# KiCad board V1.1_version_control_final.kicad_pcb (continued)
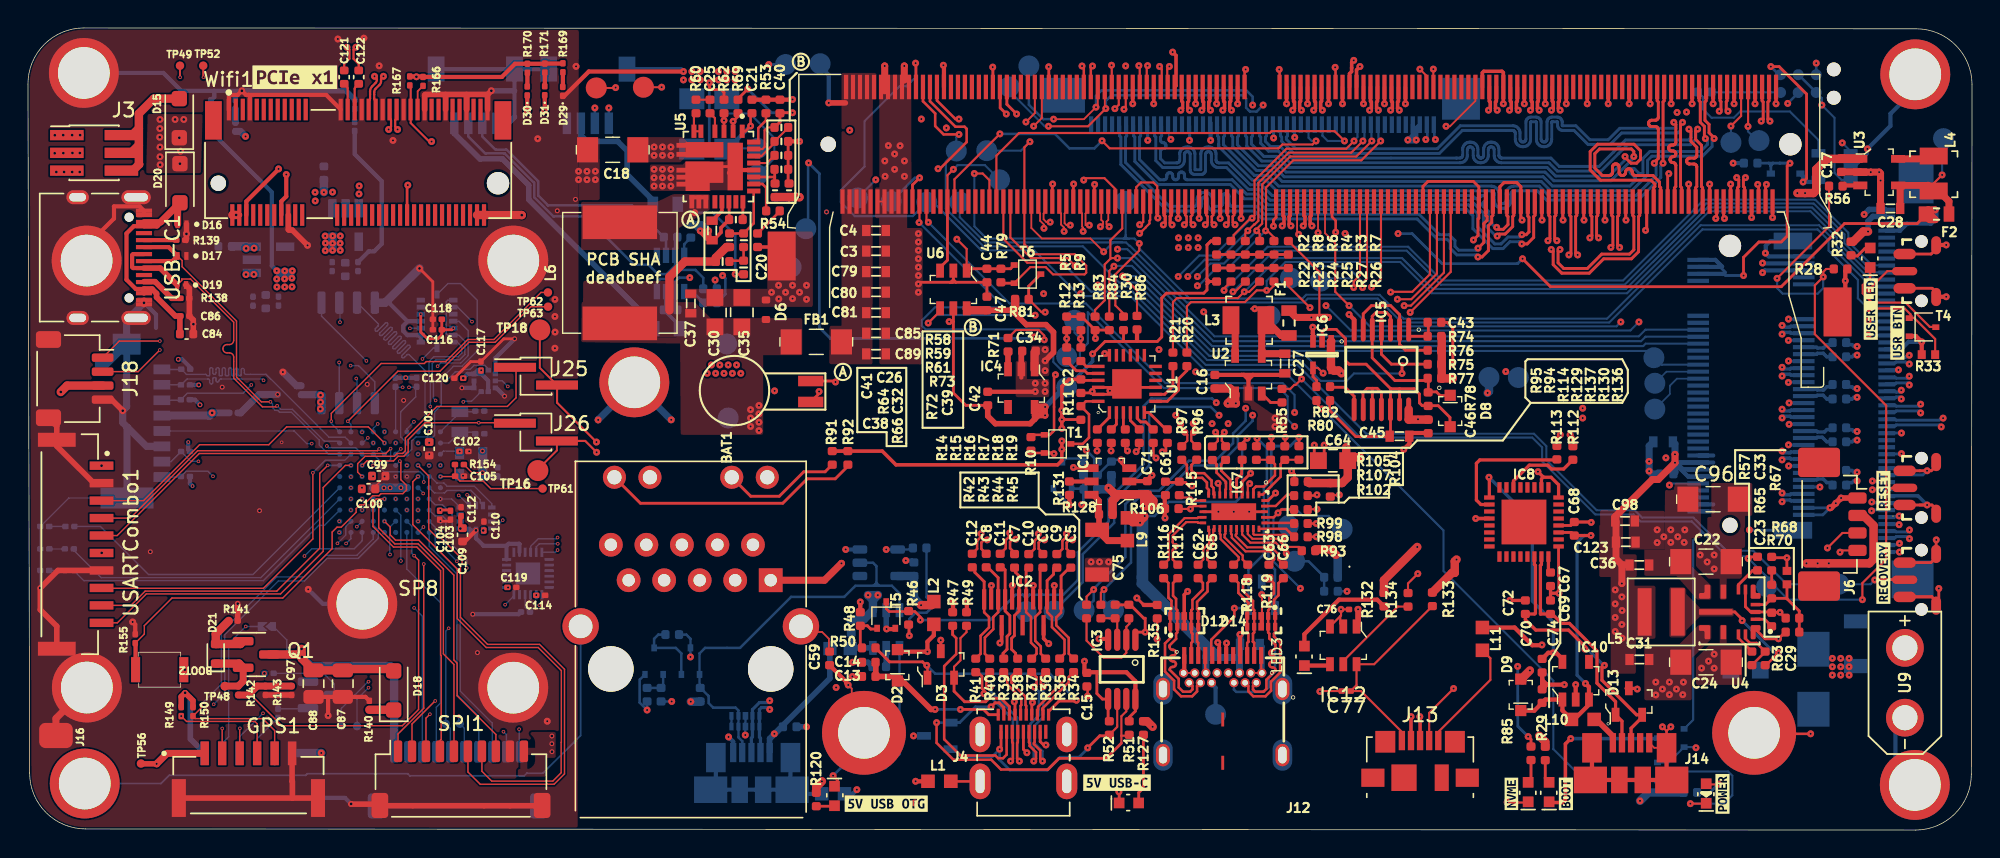
[diagram p0: board, top side]
## Routing (per net, layer and track width the routed paths; a pad name or vN(x,y) marks a point on that pad's centre or on a via; arc(x,y) is an arc through that point) (continued)
  Bottom w0.25: v1(130.79,31.6) 130.55,31.6 130.43,31.72 130.01,31.72
PCIE0_TX2_N: length 65.5
  Top w0.18: M1.148 86.25,44.02 86.15,43.92 86.15,43.49 v1(86.31,43.33)
  In3_SIGNAL.Cu w0.185: v1(130.79,27.91) 130.95,28.07 131.33,28.07 131.67,28.41 131.67,29.01 131.1,29.59 127.53,29.59 126.42,28.47 122.56,28.47 121.25,29.79 121.25,31.65 119.26,33.63 118.93,33.63 118.89,33.63 118.85,33.65 118.81,33.67 118.78,33.7 118.76,33.73 118.75,33.77 118.74,33.81 118.74,34.08 118.73,34.19 118.7,34.28 118.64,34.37 118.57,34.45 118.48,34.5 118.38,34.54 118.28,34.55 118.22,34.55 118.12,34.54 118.02,34.5 117.93,34.45 117.86,34.37 117.8,34.28 117.77,34.19 117.75,34.08 117.75,32.94 117.75,32.9 117.74,32.86 117.71,32.83 117.68,32.8 117.65,32.78 117.61,32.76 117.57,32.76 117.53,32.76 117.49,32.78 117.45,32.8 117.42,32.83 117.4,32.86 117.39,32.9 117.38,32.94 117.38,33.16 117.37,33.27 117.34,33.36 117.28,33.45 117.21,33.53 117.12,33.58 117.02,33.62 116.92,33.63 116.86,33.63 116.76,33.62 116.66,33.58 116.57,33.53 116.5,33.45 116.44,33.36 116.41,33.27 116.39,33.16 116.39,32.94 116.39,32.9 116.38,32.86 116.35,32.83 116.32,32.8 116.29,32.78 116.25,32.76 116.21,32.76 116.17,32.76 116.13,32.78 116.09,32.8 116.06,32.83 116.04,32.86 116.03,32.9 116.02,32.94 116.02,33.16 116.01,33.27 115.98,33.36 115.92,33.45 115.85,33.53 115.76,33.58 115.66,33.62 115.56,33.63 115.56,33.63 115.46,33.62 115.36,33.58 115.27,33.53 115.2,33.45 115.14,33.36 115.11,33.27 115.09,33.16 115.09,32.94 115.09,32.9 115.08,32.86 115.05,32.83 115.02,32.8 114.99,32.78 114.95,32.76 114.91,32.76 114.87,32.76 114.83,32.78 114.79,32.8 114.76,32.83 114.74,32.86 114.73,32.9 114.72,32.94 114.72,33.16 114.71,33.27 114.68,33.36 114.62,33.45 114.55,33.53 114.46,33.58 114.36,33.62 114.26,33.63 114.26,33.63 114.16,33.62 114.06,33.58 113.97,33.53 113.9,33.45 113.84,33.36 113.81,33.27 113.79,33.16 113.79,32.94 113.79,32.9 113.78,32.86 113.75,32.83 113.72,32.8 113.69,32.78 113.65,32.76 113.61,32.76 113.57,32.76 113.53,32.78 113.49,32.8 113.46,32.83 113.44,32.86 113.43,32.9 113.42,32.94 113.42,33.16 113.41,33.27 113.38,33.36 113.32,33.45 113.25,33.53 113.16,33.58 113.06,33.62 112.96,33.63 112.96,33.63 112.86,33.62 112.76,33.58 112.67,33.53 112.6,33.45 112.54,33.36 112.51,33.27 112.49,33.16 112.49,32.94 112.49,32.9 112.48,32.86 112.45,32.83 112.42,32.8 112.39,32.78 112.35,32.76 112.31,32.76 112.27,32.76 112.23,32.78 112.19,32.8 112.16,32.83 112.14,32.86 112.13,32.9 112.12,32.94 112.12,33.16 112.11,33.27 112.08,33.36 112.02,33.45 111.95,33.53 111.86,33.58 111.76,33.62 111.66,33.63 104.88,33.63 97.99,40.52 97.93,40.52 97.9,40.55 88.48,40.55 86.15,42.88 86.15,43.17 v1(86.31,43.33)
  Bottom w0.25: 130.01,27.79 130.43,27.79 130.55,27.91 v1(130.79,27.91)
PCIE0_TX2_P: length 65.2
  Top w0.18: v1(85.68,43.33) 85.84,43.49 85.84,43.92 85.75,44.02 85.75,44.98
  In3_SIGNAL.Cu w0.185: 115.57,33.31 115.61,33.3 115.64,33.28 115.67,33.25 115.7,33.21 115.71,33.17 115.71,33.13 115.71,32.91 115.73,32.81 115.76,32.71 115.82,32.62 115.89,32.55 115.98,32.49 116.08,32.46 116.18,32.45 116.24,32.45 116.34,32.46 116.44,32.49 116.53,32.55 116.6,32.62 116.66,32.71 116.69,32.81 116.7,32.91 116.7,33.13 116.71,33.17 116.72,33.21 116.74,33.25 116.77,33.28 116.81,33.3 116.85,33.31 116.89,33.32 116.93,33.31 116.97,33.3 117,33.28 117.03,33.25 117.06,33.21 117.07,33.17 117.07,33.13 117.07,32.91 117.09,32.81 117.12,32.71 117.18,32.62 117.25,32.55 117.34,32.49 117.44,32.46 117.54,32.45 117.6,32.45 117.7,32.46 117.8,32.49 117.89,32.55 117.96,32.62 118.02,32.71 118.05,32.81 118.06,32.91 118.06,34.05 118.07,34.09 118.08,34.13 118.1,34.17 118.13,34.2 118.17,34.22 118.21,34.23 118.25,34.24 118.29,34.23 118.33,34.22 118.36,34.2 118.39,34.17 118.42,34.13 118.43,34.09 118.43,34.05 118.43,33.78 118.45,33.68 118.48,33.58 118.54,33.49 118.61,33.42 118.7,33.36 118.8,33.33 118.9,33.32 119.14,33.32 120.94,31.52 120.94,29.66 122.43,28.16 126.61,28.16 127.72,29.28 128.79,29.28 128.82,29.27 128.85,29.26 128.87,29.25 128.89,29.23 128.91,29.21 128.91,29.18 128.92,29.13 128.93,29.1 128.94,29.08 128.96,29.06 128.99,29.04 129.01,29.03 129.04,29.03 129.16,29.03 129.19,29.03 129.22,29.04 129.24,29.06 129.26,29.08 129.28,29.1 129.28,29.13 129.29,29.18 129.3,29.21 129.31,29.23 129.33,29.25 129.36,29.26 129.38,29.27 129.41,29.28 130.97,29.28 131.36,28.88 131.36,28.54 131.2,28.38 130.95,28.38 v1(130.79,28.53) ; v1(85.68,43.33) 85.84,43.17 85.84,42.75 88.38,40.21 97.87,40.21 104.76,33.32 111.63,33.32 111.67,33.31 111.71,33.3 111.74,33.28 111.77,33.25 111.8,33.21 111.81,33.17 111.81,33.13 111.81,32.91 111.83,32.81 111.86,32.71 111.92,32.62 111.99,32.55 112.08,32.49 112.18,32.46 112.28,32.45 112.34,32.45 112.44,32.46 112.54,32.49 112.63,32.55 112.7,32.62 112.76,32.71 112.79,32.81 112.8,32.91 112.8,33.13 112.81,33.17 112.82,33.21 112.84,33.25 112.87,33.28 112.91,33.3 112.95,33.31 ; 115.55,33.31 115.51,33.3 115.47,33.28 115.44,33.25 115.42,33.21 115.41,33.17 115.4,33.13 115.4,32.91 115.39,32.81 115.36,32.71 115.3,32.62 115.23,32.55 115.14,32.49 115.04,32.46 114.94,32.45 114.88,32.45 114.78,32.46 114.68,32.49 114.59,32.55 114.52,32.62 114.46,32.71 114.43,32.81 114.41,32.91 114.41,33.13 114.41,33.17 114.4,33.21 114.37,33.25 114.34,33.28 114.31,33.3 114.27,33.31 ; 112.97,33.31 113.01,33.3 113.04,33.28 113.07,33.25 113.1,33.21 113.11,33.17 113.11,33.13 113.11,32.91 113.13,32.81 113.16,32.71 113.22,32.62 113.29,32.55 113.38,32.49 113.48,32.46 113.58,32.45 113.64,32.45 113.74,32.46 113.84,32.49 113.93,32.55 114,32.62 114.06,32.71 114.09,32.81 114.1,32.91 114.1,33.13 114.11,33.17 114.12,33.21 114.14,33.25 114.17,33.28 114.21,33.3 114.25,33.31
  Bottom w0.25: v1(130.79,28.53) 130.55,28.53 130.43,28.65 130.01,28.65
PCIE0_TX3_N: length 66
  Top w0.18: 84.75,44.98 84.75,44.02 84.65,43.92 84.65,43.49 v1(84.81,43.33)
  In3_SIGNAL.Cu w0.18: 107.96,32.42 107.96,31.47 107.96,31.46 107.96,31.45
  In3_SIGNAL.Cu w0.185: 107.96,31.45 107.95,31.42 107.93,31.4 107.91,31.37 107.88,31.36 107.85,31.35 107.82,31.34 107.73,31.34 107.7,31.35 107.67,31.36 107.64,31.37 107.62,31.4 107.61,31.42 107.59,31.45 107.59,31.49 107.59,32.42 107.58,32.51 107.55,32.6 107.5,32.69 107.43,32.75 107.35,32.8 107.26,32.84 107.16,32.85 107.03,32.85 106.93,32.84 106.84,32.8 106.76,32.75 106.69,32.69 106.64,32.6 106.61,32.51 106.6,32.42 106.6,31.49 106.6,31.45 106.59,31.42 106.57,31.4 106.55,31.37 106.52,31.36 106.49,31.35 106.46,31.34 106.37,31.34 106.34,31.35 106.31,31.36 106.28,31.37 106.26,31.4 106.25,31.42 106.23,31.45 106.23,31.49 106.23,31.67 106.22,31.76 106.19,31.85 106.14,31.93 106.07,32 105.99,32.05 105.9,32.08 105.8,32.09 105.04,32.09 97.51,39.63 96.39,39.63 96.39,39.63 95.74,39.63 95.74,39.63 87.95,39.63 84.65,42.93 84.65,43.17 v1(84.81,43.33) ; 107.96,32.42 107.97,32.51 108,32.6 108.06,32.69 108.12,32.75 108.2,32.8 108.29,32.84 108.39,32.85 108.52,32.85 108.62,32.84 108.71,32.8 108.79,32.75 108.86,32.69 108.91,32.6 108.94,32.51 108.95,32.42 108.95,32.24 108.96,32.21 108.97,32.18 108.98,32.15 109.01,32.13 109.03,32.11 109.06,32.1 109.1,32.09 118.88,32.09 120.21,30.76 120.21,28.6 123.56,25.25 126.17,25.25 127.62,26.69 131.07,26.69 131.67,26.09 131.67,25.49 131.33,25.15 130.95,25.15 v1(130.79,24.99)
  Bottom w0.25: 130.01,24.87 130.43,24.87 130.55,24.99 v1(130.79,24.99)
PCIE0_TX3_P: length 67
  Top w0.18: v1(84.18,43.33) 84.34,43.49 84.34,43.92 84.25,44.02 M1.156
  In3_SIGNAL.Cu w0.18: 108.28,32.42 108.28,31.46 ; 108.28,31.46 108.27,31.46 ; 108.28,31.46 108.28,32.39 108.27,32.39
  In3_SIGNAL.Cu w0.185: 108.27,31.46 108.26,31.36 108.23,31.27 108.18,31.19 108.11,31.12 108.03,31.07 107.94,31.04 107.84,31.03 107.71,31.03 107.61,31.04 107.52,31.07 107.44,31.12 107.37,31.19 107.32,31.27 107.29,31.36 107.28,31.46 107.28,32.39 107.28,32.42 107.27,32.46 107.25,32.48 107.23,32.51 107.2,32.52 107.17,32.53 107.14,32.54 107.05,32.54 107.02,32.53 106.99,32.52 106.96,32.51 106.94,32.48 106.93,32.46 106.91,32.42 106.91,32.39 106.91,31.46 106.9,31.36 106.87,31.27 106.82,31.19 106.75,31.12 106.67,31.07 106.58,31.04 106.48,31.03 106.35,31.03 106.25,31.04 106.16,31.07 106.08,31.12 106.01,31.19 105.96,31.27 105.93,31.36 105.92,31.46 105.92,31.64 105.92,31.67 105.91,31.7 105.89,31.73 105.87,31.75 105.84,31.77 105.81,31.78 105.78,31.78 104.92,31.78 97.38,39.32 96.26,39.32 96.26,39.32 95.87,39.32 95.87,39.32 87.82,39.32 84.34,42.8 84.34,43.17 v1(84.18,43.33) ; v1(130.79,25.61) 130.95,25.46 131.2,25.46 131.36,25.62 131.36,25.96 130.97,26.36 129.97,26.36 129.93,26.35 129.89,26.34 129.86,26.32 129.83,26.29 129.81,26.25 129.79,26.21 129.79,26.17 129.79,26.11 129.78,26.07 129.77,26.03 129.75,26 129.72,25.97 129.68,25.95 129.65,25.93 129.6,25.93 129.56,25.93 129.52,25.95 129.49,25.97 129.46,26 129.44,26.03 129.42,26.07 129.42,26.11 129.42,26.17 129.41,26.21 129.4,26.25 129.38,26.29 129.35,26.32 129.31,26.34 129.28,26.35 129.23,26.36 127.72,26.36 126.3,24.94 123.43,24.94 119.9,28.47 119.9,30.63 118.75,31.78 109.07,31.78 108.97,31.79 108.88,31.83 108.8,31.88 108.74,31.95 108.68,32.03 108.65,32.12 108.64,32.21 108.64,32.39 108.64,32.42 108.63,32.46 108.61,32.48 108.59,32.51 108.56,32.52 108.53,32.53 108.5,32.54 108.42,32.54 108.38,32.53 108.35,32.52 108.33,32.51 108.3,32.48 108.29,32.46 108.28,32.42 108.27,32.39
  Bottom w0.25: v1(130.79,25.61) 130.55,25.61 130.43,25.73 130.01,25.73
PCIE1_CLK_N: length 83.2
  Top w0.155: M1.173 80,54.59 arc(80.01,54.64) 80.04,54.69 v1(80.06,54.71) ; v1(26.43,50.14) 26.3,50.27 arc(26.27,50.32) 26.26,50.37 26.26,50.78 arc(26.27,50.84) 26.3,50.89 26.32,50.9 arc(26.35,50.95) 26.36,51.01 Wifi1.49
  In5_3V3_SYS_SIGNAL.Cu w0.16: v1(80.06,54.71) 79.94,54.59 arc(79.91,54.54) 79.9,54.49 79.9,54 arc(79.86,53.81) 79.75,53.65 79.44,53.34 arc(79.27,53.23) 79.08,53.19 68.24,53.19 arc(68.15,53.15) 68.11,53.06 68.11,52.06 arc(67.99,51.76) 67.68,51.63 arc(67.38,51.76) 67.25,52.06 67.25,53.06 arc(67.22,53.15) 67.12,53.19 arc(67.03,53.15) 66.99,53.06 66.99,52.06 arc(66.87,51.76) 66.56,51.63 arc(66.26,51.76) 66.14,52.06 66.14,53.06 arc(66.1,53.15) 66.01,53.19 arc(65.91,53.15) 65.88,53.06 65.88,52.06 arc(65.75,51.76) 65.45,51.63 arc(65.14,51.76) 65.02,52.06 65.02,53.06 arc(64.98,53.15) 64.89,53.19 arc(64.8,53.15) 64.76,53.06 64.76,52.06 arc(64.63,51.76) 64.33,51.63 arc(64.03,51.76) 63.9,52.06 63.9,53.06 arc(63.86,53.15) 63.77,53.19 arc(63.68,53.15) 63.64,53.06 63.64,52.06 arc(63.51,51.76) 63.21,51.63 arc(62.91,51.76) 62.78,52.06 62.78,53.06 arc(62.74,53.15) 62.65,53.19 arc(62.56,53.15) 62.52,53.06 62.52,52.06 arc(62.4,51.76) 62.09,51.63 arc(61.79,51.76) 61.66,52.06 61.66,53.06 arc(61.63,53.15) 61.53,53.19 arc(61.44,53.15) 61.4,53.06 61.4,52.06 arc(61.28,51.76) 60.97,51.63 arc(60.67,51.76) 60.55,52.06 60.55,53.06 arc(60.51,53.15) 60.42,53.19 arc(60.32,53.15) 60.29,53.06 60.29,52.06 arc(60.16,51.76) 59.86,51.63 arc(59.55,51.76) 59.43,52.06 59.43,53.06 arc(59.39,53.15) 59.3,53.19 arc(59.21,53.15) 59.17,53.06 59.17,52.06 arc(59.04,51.76) 58.74,51.63 arc(58.44,51.76) 58.31,52.06 58.31,53.06 arc(58.27,53.15) 58.18,53.19 54.08,53.19 arc(53.94,53.16) 53.83,53.09 53.1,52.36 arc(52.94,52.25) 52.74,52.21 35.39,52.21 arc(35.25,52.18) 35.14,52.11 34.07,51.04 arc(33.91,50.93) 33.71,50.89 26.61,50.89 arc(26.47,50.86) 26.36,50.79 26.33,50.76 arc(26.28,50.68) 26.26,50.58 26.26,50.37 arc(26.27,50.32) 26.3,50.27 v1(26.43,50.14)
PCIE1_CLK_P: length 83.2
  Top w0.155: M1.175 79.5,54.59 arc(79.49,54.64) 79.45,54.69 v1(79.43,54.71) ; v1(25.79,50.14) 25.92,50.27 arc(25.95,50.32) 25.96,50.37 25.96,50.78 arc(25.95,50.84) 25.92,50.89 25.9,50.9 arc(25.87,50.95) 25.86,51.01 Wifi1.47
  In5_3V3_SYS_SIGNAL.Cu w0.16: v1(25.79,50.14) 25.92,50.27 arc(25.95,50.32) 25.96,50.37 25.96,50.6 arc(26,50.79) 26.11,50.96 26.19,51.04 arc(26.36,51.15) 26.55,51.19 33.65,51.19 arc(33.79,51.22) 33.9,51.29 34.97,52.36 arc(35.13,52.47) 35.33,52.51 52.68,52.51 arc(52.82,52.54) 52.93,52.61 53.66,53.34 arc(53.82,53.45) 54.02,53.49 58.18,53.49 arc(58.48,53.36) 58.61,53.06 58.61,52.06 arc(58.65,51.97) 58.74,51.93 arc(58.83,51.97) 58.87,52.06 58.87,53.06 arc(59,53.36) 59.3,53.49 arc(59.6,53.36) 59.73,53.06 59.73,52.06 arc(59.76,51.97) 59.86,51.93 arc(59.95,51.97) 59.99,52.06 59.99,53.06 arc(60.11,53.36) 60.42,53.49 arc(60.72,53.36) 60.84,53.06 60.84,52.06 arc(60.88,51.97) 60.97,51.93 arc(61.07,51.97) 61.11,52.06 61.11,53.06 arc(61.23,53.36) 61.53,53.49 arc(61.84,53.36) 61.96,53.06 61.96,52.06 arc(62,51.97) 62.09,51.93 arc(62.19,51.97) 62.22,52.06 62.22,53.06 arc(62.35,53.36) 62.65,53.49 arc(62.95,53.36) 63.08,53.06 63.08,52.06 arc(63.12,51.97) 63.21,51.93 arc(63.3,51.97) 63.34,52.06 63.34,53.06 arc(63.47,53.36) 63.77,53.49 arc(64.07,53.36) 64.2,53.06 64.2,52.06 arc(64.24,51.97) 64.33,51.93 arc(64.42,51.97) 64.46,52.06 64.46,53.06 arc(64.59,53.36) 64.89,53.49 arc(65.19,53.36) 65.32,53.06 65.32,52.06 arc(65.35,51.97) 65.45,51.93 arc(65.54,51.97) 65.58,52.06 65.58,53.06 arc(65.7,53.36) 66.01,53.49 arc(66.31,53.36) 66.43,53.06 66.43,52.06 arc(66.47,51.97) 66.56,51.93 arc(66.66,51.97) 66.7,52.06 66.7,53.06 arc(66.82,53.36) 67.12,53.49 arc(67.43,53.36) 67.55,53.06 67.55,52.06 arc(67.59,51.97) 67.68,51.93 arc(67.78,51.97) 67.81,52.06 67.81,53.06 arc(67.94,53.36) 68.24,53.49 79.02,53.49 arc(79.16,53.52) 79.27,53.59 79.5,53.82 arc(79.57,53.93) 79.6,54.06 79.6,54.49 arc(79.59,54.54) 79.55,54.59 v1(79.43,54.71)
PCIE1_CLKREQ: length 56.7
  Top w0.15: v1(28.86,49.28) 28.69,49.28 27.37,50.6 27.37,53.23 ; M1.182 77.75,45.88 76.97,46.66 75.63,46.66 v1(75.49,46.52)
  In5_3V3_SYS_SIGNAL.Cu w0.16: v1(28.86,49.28) 29.13,49.01 36.74,49.01 37.35,49.62 54.89,49.62 55.18,49.91 57.59,49.91 58.07,49.44 62.54,49.44 63.3,48.67 73.34,48.67 v1(75.49,46.52)
PCIE1_RST: length 57.6
  Top w0.15: M1.183 77.5,54.72 v1(77.48,54.74)
  Top w0.195: Wifi1.52 27.11,46.11 v1(27.16,46.16)
  In3_SIGNAL.Cu w0.15: v1(77.48,54.74) 75.38,52.64 55.62,52.64 54.85,51.86 54.38,51.86 53.75,51.23 49.61,51.23 48.74,50.36 31.36,50.36 v1(27.16,46.16)
PCIE1_RX0_N: length 83.1
  Top w0.155: 81.46,53.38 81.46,54.44 arc(81.47,54.5) 81.51,54.54 v1(81.62,54.65) ; 24.76,52.36 24.76,52.65
  Top w0.16: v1(25.42,53.95) 25.29,53.82 arc(25.26,53.77) 25.25,53.72 25.25,53.59 arc(25.22,53.46) 25.14,53.34 24.86,53.06 arc(24.79,52.95) 24.76,52.81 24.76,52.65 ; Wifi1.43 24.86,52.19 24.8,52.25 arc(24.77,52.3) 24.76,52.36
  In5_3V3_SYS_SIGNAL.Cu w0.16: v1(25.42,53.95) 25.29,53.82 arc(25.26,53.77) 25.25,53.72 25.25,53.56 arc(25.27,53.43) 25.35,53.31 25.4,53.26 arc(25.51,53.19) 25.65,53.16 25.75,53.16 arc(25.88,53.19) 26,53.26 26.06,53.32 arc(26.13,53.44) 26.16,53.57 26.16,54.45 26.02,54.59 26.02,54.71 26.16,54.85 26.16,55.05 arc(26.2,55.24) 26.31,55.4 26.65,55.74 arc(26.81,55.85) 27,55.89 28.03,55.89 arc(28.33,55.76) 28.46,55.46 28.46,54.41 arc(28.5,54.32) 28.59,54.28 arc(28.68,54.32) 28.72,54.41 28.72,55.46 arc(28.85,55.76) 29.15,55.89 arc(29.45,55.76) 29.58,55.46 29.58,54.41 arc(29.61,54.32) 29.71,54.28 arc(29.8,54.32) 29.84,54.41 29.84,55.46 arc(29.96,55.76) 30.27,55.89 arc(30.57,55.76) 30.69,55.46 30.69,54.41 arc(30.73,54.32) 30.82,54.28 arc(30.92,54.32) 30.96,54.41 30.96,55.46 arc(31.08,55.76) 31.38,55.89 arc(31.69,55.76) 31.81,55.46 31.81,54.41 arc(31.85,54.32) 31.94,54.28 arc(32.04,54.32) 32.07,54.41 32.07,55.46 arc(32.2,55.76) 32.5,55.89 arc(32.8,55.76) 32.93,55.46 32.93,54.41 arc(32.97,54.32) 33.06,54.28 arc(33.15,54.32) 33.19,54.41 33.19,55.46 arc(33.32,55.76) 33.62,55.89 arc(33.92,55.76) 34.05,55.46 34.05,54.41 arc(34.09,54.32) 34.18,54.28 arc(34.27,54.32) 34.31,54.41 34.31,55.46 arc(34.44,55.76) 34.74,55.89 arc(35.04,55.76) 35.17,55.46 35.17,54.41 arc(35.2,54.32) 35.3,54.28 arc(35.39,54.32) 35.43,54.41 35.43,55.46 arc(35.55,55.76) 35.86,55.89 80.64,55.89 arc(80.84,55.85) 81,55.74 81.27,55.47 arc(81.38,55.31) 81.41,55.12 81.41,54.92 arc(81.43,54.86) 81.46,54.81 v1(81.62,54.65)
PCIE1_RX0_P: length 83
  Top w0.155: v1(80.92,54.65) 81.02,54.54 arc(81.06,54.5) 81.07,54.44 81.07,53.38 ; Wifi1.41 24.36,52.13 arc(24.37,52.19) 24.4,52.24 24.42,52.25 arc(24.45,52.3) 24.46,52.36 24.46,52.65
  Top w0.16: 24.46,52.65 24.46,52.87 arc(24.5,53.07) 24.61,53.23 24.85,53.47 arc(24.92,53.58) 24.95,53.71 24.95,53.72 arc(24.94,53.77) 24.9,53.82 v1(24.78,53.95)
  In5_3V3_SYS_SIGNAL.Cu w0.16: v1(24.78,53.95) 24.9,53.82 arc(24.94,53.77) 24.95,53.72 24.95,53.5 arc(24.99,53.31) 25.1,53.15 25.23,53.01 arc(25.4,52.9) 25.59,52.86 25.81,52.86 arc(26,52.9) 26.16,53.01 26.31,53.16 arc(26.42,53.32) 26.46,53.51 26.46,54.99 arc(26.49,55.12) 26.56,55.24 26.81,55.49 arc(26.93,55.56) 27.06,55.59 28.03,55.59 arc(28.12,55.55) 28.16,55.46 28.16,54.41 arc(28.29,54.11) 28.59,53.98 arc(28.89,54.11) 29.02,54.41 29.02,55.46 arc(29.06,55.55) 29.15,55.59 arc(29.24,55.55) 29.28,55.46 29.28,54.41 arc(29.4,54.11) 29.71,53.98 arc(30.01,54.11) 30.14,54.41 30.14,55.46 arc(30.17,55.55) 30.27,55.59 arc(30.36,55.55) 30.4,55.46 30.4,54.41 arc(30.52,54.11) 30.82,53.98 arc(31.13,54.11) 31.25,54.41 31.25,55.46 arc(31.29,55.55) 31.38,55.59 arc(31.48,55.55) 31.51,55.46 31.51,54.41 arc(31.64,54.11) 31.94,53.98 arc(32.25,54.11) 32.37,54.41 32.37,55.46 arc(32.41,55.55) 32.5,55.59 arc(32.59,55.55) 32.63,55.46 32.63,54.41 arc(32.76,54.11) 33.06,53.98 arc(33.36,54.11) 33.49,54.41 33.49,55.46 arc(33.53,55.55) 33.62,55.59 arc(33.71,55.55) 33.75,55.46 33.75,54.41 arc(33.88,54.11) 34.18,53.98 arc(34.48,54.11) 34.61,54.41 34.61,55.46 arc(34.65,55.55) 34.74,55.59 arc(34.83,55.55) 34.87,55.46 34.87,54.41 arc(34.99,54.11) 35.3,53.98 arc(35.6,54.11) 35.73,54.41 35.73,55.46 arc(35.76,55.55) 35.86,55.59 80.58,55.59 arc(80.72,55.56) 80.83,55.49 81.01,55.31 arc(81.09,55.19) 81.12,55.06 81.12,54.92 arc(81.1,54.86) 81.07,54.81 v1(80.92,54.65)
PCIE1_TX0_N: length 81
  Top w0.155: v1(79.49,42.71) 79.66,42.88 79.68,42.88 79.94,43.14 79.94,43.16 80.19,43.41 80.19,43.62 80.25,43.67 M1.172
  Top w0.16: C122.2 23.65,54.84 23.28,55.21 23.28,55.86 v1(23.45,56.03)
  In5_3V3_SYS_SIGNAL.Cu w0.16: v1(23.45,56.03) 23.32,55.9 arc(23.29,55.86) 23.28,55.8 23.28,55.68 arc(23.31,55.54) 23.38,55.43 23.6,55.21 arc(23.71,55.14) 23.85,55.11 23.87,55.11 arc(24.01,55.14) 24.12,55.21 24.44,55.53 arc(24.51,55.64) 24.54,55.78 24.54,56.21 arc(24.57,56.34) 24.64,56.45 25.1,56.91 arc(25.26,57.02) 25.46,57.06 81.47,57.06 arc(81.67,57.02) 81.83,56.91 82.81,55.93 arc(82.92,55.77) 82.96,55.57 82.96,53.39 arc(82.92,53.19) 82.81,53.03 81.22,51.44 arc(81.15,51.33) 81.12,51.19 81.12,45.52 arc(81.08,45.32) 80.97,45.16 79.89,44.08 arc(79.81,43.97) 79.79,43.83 79.79,43.64 79.82,43.61 arc(79.89,43.5) 79.92,43.36 79.92,43.3 arc(79.89,43.16) 79.82,43.05 79.79,43.02 79.79,43.01 v1(79.49,42.71)
PCIE1_TX0_P: length 81
  Top w0.155: M1.174 79.75,43.53 79.55,43.33 v1(79.49,43.33)
  Top w0.16: v1(22.81,56.03) 22.98,55.86 22.98,55.21 22.61,54.84 C121.2
  In5_3V3_SYS_SIGNAL.Cu w0.16: v1(22.81,56.03) 22.94,55.9 arc(22.97,55.86) 22.98,55.8 22.98,55.62 arc(23.02,55.42) 23.13,55.26 23.43,54.96 arc(23.59,54.85) 23.79,54.81 23.93,54.81 arc(24.13,54.85) 24.29,54.96 24.69,55.36 arc(24.8,55.52) 24.84,55.72 24.84,56.02 arc(24.88,56.21) 24.99,56.37 25.23,56.61 arc(25.39,56.72) 25.58,56.76 81.41,56.76 arc(81.55,56.73) 81.66,56.66 82.56,55.76 arc(82.63,55.65) 82.66,55.51 82.66,53.45 arc(82.63,53.31) 82.56,53.2 80.97,51.61 arc(80.86,51.45) 80.82,51.25 80.82,48.6 arc(80.76,48.46) 80.62,48.4 80.58,48.4 arc(80.43,48.34) 80.38,48.2 arc(80.43,48.06) 80.58,48 80.62,48 arc(80.76,47.94) 80.82,47.8 arc(80.76,47.66) 80.62,47.6 80.58,47.6 arc(80.43,47.54) 80.38,47.4 arc(80.43,47.26) 80.58,47.2 80.62,47.2 arc(80.76,47.14) 80.82,47 arc(80.76,46.86) 80.62,46.8 80.58,46.8 arc(80.43,46.74) 80.38,46.6 arc(80.43,46.46) 80.58,46.4 80.62,46.4 arc(80.76,46.34) 80.82,46.2 80.82,45.58 arc(80.79,45.44) 80.72,45.33 79.64,44.25 arc(79.53,44.08) 79.49,43.89 v1(79.49,43.33)
Periph_3V3: length 39.3
  Top w0.138: v4(12.55,53.88) 12.53,53.9 TP52.1
  In5_3V3_SYS_SIGNAL.Cu w0.138: v4(12.55,53.88) 12.55,43.74 13.38,42.91 16.03,42.91 17.79,41.15 v1(17.79,40.03)
  In5_3V3_SYS_SIGNAL.Cu w0.6: 15.94,29.87 15.93,29.86 v2(13.17,29.86)
  Bottom w0.3: 14.45,48.64 D23.2 ; 14.52,48.57 17.43,45.66 17.43,40.39 v1(17.79,40.03)
  Bottom w0.5: v2(13.17,29.86) C111.1 ; C113.1 20.89,31.16 v2(20.92,31.13)
  Bottom w0.6: v2(13.17,29.86) 12.98,29.67 SDCard1.4
  vias: v1(17.79,39.44) v1(17.8,38.87) v1(18.36,40.02) v1(18.35,39.45) v1(18.36,38.87) v1(18.9,40.03) v1(18.87,39.5) v1(18.88,38.88) v2(20.91,30.14) v2(20.92,30.63)
PEX_L0_CLKREQ_N: length 53.7
  Top w0.15: 77.4,40.89 76.99,40.48 76.99,37.92 76.3,37.23 76.3,36.74 ; 77.4,40.89 77.45,40.94 v1(77.91,40.94) ; 77.4,40.89 77.4,42.21 78.25,43.06 78.25,44.98
  Bottom w0.15: v1(77.91,40.94) 78.82,40.94 84.77,34.99 115.34,34.99 115.66,35.31 J7.52
PEX_L0_RST_N: length 61.2
  Top w0.15: 77.32,36.74 77.32,40.02 v1(77.65,40.35) ; v1(77.72,51.63) 78,51.91 78,53.18
  In2.Cu w0.15: v1(77.72,51.63) 77.77,51.58 77.77,42.39 77.4,42.02 77.4,40.6 v1(77.65,40.35)
  Bottom w0.15: v1(77.65,40.35) 77.68,40.38 78.93,40.38 84.67,34.64 115.5,34.64 115.67,34.81 J7.50
PWR_EN: length 45
  Top w0.15: IC6.4 92.23,33.08 v1(92.61,32.7)
  Top w0.18: v1(66.57,49.79) 65.47,49.79 64.87,50.39 64.87,51.29 64,52.16 M1.237
  Top w0.2: IC6.4 91.89,32.44 92.15,32.18 92.15,31.72
  Bottom w0.15: v1(92.61,32.7) 91.37,33.94 84.47,33.94 79.22,39.19 78.02,39.19 75.43,41.78 68.32,41.78 65.63,44.48 65.63,47.85 TP12.1 66.38,49.6 v1(66.57,49.79)
PWR_GOOD: length 118.5
  Top w0.15: U5.2 v1(50.42,50.73) ; 92.13,30.68 92.13,30.53 v1(92.52,30.14)
  Top w0.2: v1(50.42,50.73) 50.77,51.08 R69.2
  In3_SIGNAL.Cu w0.2: v1(50.42,50.73) 50.42,48.94 51.6,47.76 55.81,47.76 v1(55.82,47.75)
  In5_3V3_SYS_SIGNAL.Cu w0.125: v1(83.49,32.8) 83.49,32.84 87.07,36.42 87.07,37.69 87.52,38.14 87.52,39.79 87.22,40.09 82.07,40.09 77.97,35.99 72.67,35.99 v1(71.97,35.29)
  Bottom w0.15: v1(83.49,32.8) 83.7,32.59 90.07,32.59 v1(92.52,30.14) 101.21,21.45 101.21,18.55 109.07,10.69 109.07,5.79 111.32,3.54 T3.1
  Bottom w0.18: TP35.1 55.78,43.2 55.78,47.71 v1(55.82,47.75)
  Bottom w0.2: v1(71.97,35.29) 71.87,35.19 57.37,35.19 56.59,35.97 56.59,46.98 v1(55.82,47.75)
System_4V5: length 2
  Bottom w0.6: 15.57,41.66 v2(15.6,41.63) ; C83.1 15.6,41.78 ; v1(21.16,45.65) C82.1
  vias: v1(20.53,45.65) v1(20.54,45.03) v1(21.78,45.66) v1(23.68,46.1) v1(23.67,45.53) v2(9.44,50.86) v2(9.43,50.21) v2(9.42,49.59) v2(9.44,48.88) v2(9.44,48.19) v2(9.45,47.62) v2(10.52,50.86) v2(10.82,49.55) v2(10.91,48.59) v2(10.87,47.7) v2(11.14,50.86) v2(15.59,39.76) v2(16.17,41.65) v2(16.15,39.77)
TMDS_HPD: length 66.3
  Top w0.15: M1.96 101.25,39.9 98.89,37.53 v1(98.4,37.53)
  Top w0.18: v1(63.81,15.03) 63.81,15.25 63.42,15.64 61.57,15.64 61.37,15.84 T5.3
  In3_SIGNAL.Cu w0.15: v1(84.97,30.59) 85.52,30.04 86.32,30.04 87.27,29.09 87.77,29.09 88.07,29.39 88.07,32.09 90.1,34.12 95.67,34.12 98.37,36.82 98.37,37.5 v1(98.4,37.53)
  Bottom w0.18: 71.37,16.49 71.37,16.79 71.42,16.84 ; 71.37,16.49 71.37,16.59 ; 71.37,16.49 TP24.1 ; v1(84.97,30.59) 84.67,30.89 80.32,30.89 79.77,30.34 79.77,26.19 77.27,23.69 77.27,22.09 75.07,19.89 75.07,17.89 74.02,16.84 71.62,16.84 ; 71.62,16.84 71.42,16.84 ; 71.62,16.84 71.37,16.59 ; 71.37,16.59 71.12,16.84 ; v1(63.81,15.03) 68.81,15.03 70.62,16.84 71.12,16.84 ; 71.42,16.84 71.12,16.84
UART0_RX: length 58.2
  Top w0.138: TP18.1 36.6,33.08 J25.2 ; v1(71.36,50.68) 72,51.32 M1.205
  Top w0.15: v1(40.65,27.77) 37.83,30.59 J25.2
  In3_SIGNAL.Cu w0.15: v1(71.36,50.68) 71.36,50.49 70.25,49.38 69.43,49.38 66.98,46.93 66.98,41.04 63.56,37.62 63.56,34.25 57.08,27.77 v1(40.65,27.77)
UART0_TX: length 54.3
  Top w0.138: J26.2 37.82,27.17 36.82,26.17 ; M1.203 72.5,50.97 v1(71.91,50.38)
  Top w0.15: J26.2 39.85,27.85 v1(40.66,27.04)
  In3_SIGNAL.Cu w0.138: 56.9,27.04 63.93,34.07 63.93,37.55 67.24,40.86 67.24,45.94 71.68,50.37 71.87,50.37 v1(71.91,50.38) 71.89,50.37 71.88,50.37
  In3_SIGNAL.Cu w0.15: v1(40.66,27.04) 56.9,27.04
UART1_RX: length 74.9
  Top w0.15: M1.238 63.75,43.52 v1(63.72,43.49)
  Top w0.25: R112.2 110.47,28.09 v1(110.27,28.29)
  In5_3V3_SYS_SIGNAL.Cu w0.15: v1(90.57,28.89) 91.57,28.89 92.27,28.19 94.47,28.19 94.87,27.79 109.77,27.79 v1(110.27,28.29)
  Bottom w0.15: v1(90.57,28.89) 90.07,29.39 90.07,31.04 89.48,31.63 81.21,31.63 75.78,37.07 75.78,34.85 75.22,34.28 75.22,33.5 74.66,32.94 73.88,32.94 73.32,33.5 73.32,35.4 72.88,35.84 64.18,35.84 63.92,36.1 63.92,36.48 64.86,37.42 69.79,37.42 v1(63.72,43.49)
